# KiCad board PANEL_COM_MOD.kicad_pcb (continued)
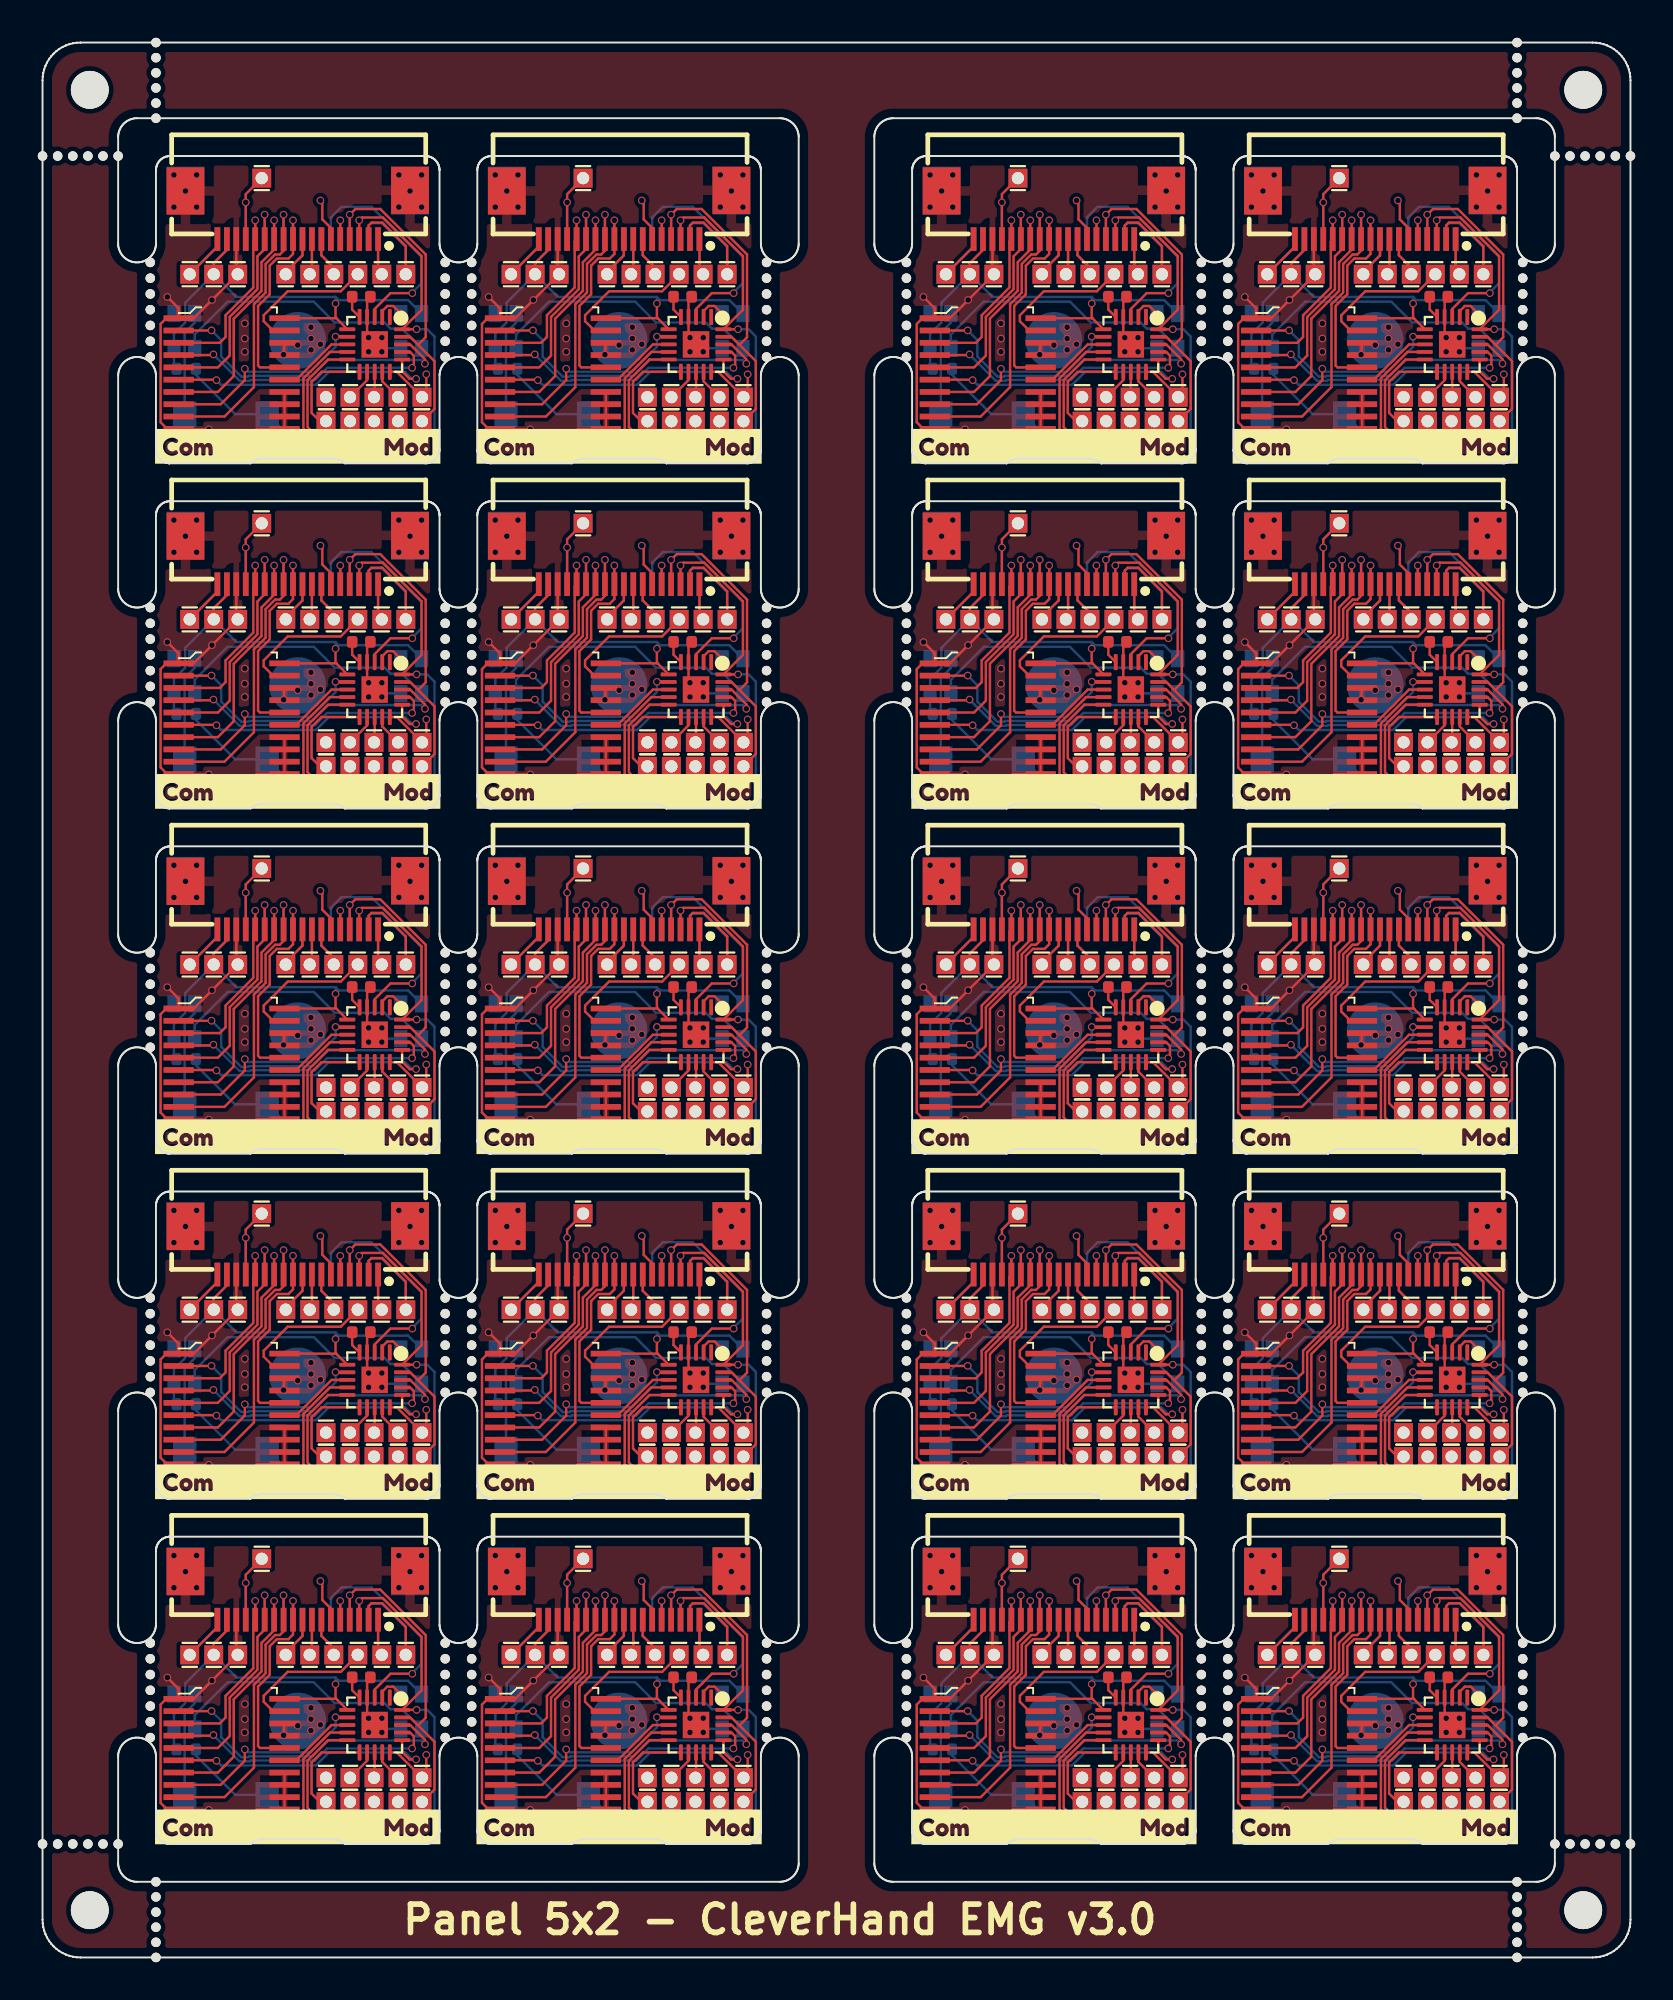
[diagram p0: board, top side]
## Placement (name value [footprint] x y rotation side) (continued)
J11#17  Conn_01x01_Pin  [PinHeader_1x01_P1.27mm_Vertical]  37.07 9.5 180 top
J11#18  Conn_01x01_Pin  [PinHeader_1x01_P1.27mm_Vertical]  37.07 64.25 180 top
J11#19  Conn_01x01_Pin  [PinHeader_1x01_P1.27mm_Vertical]  60.07 27.75 180 top
J11#20  Conn_01x01_Pin  [PinHeader_1x01_P1.27mm_Vertical]  20.07 82.5 180 top
J12  Conn_01x01_Pin  [PinHeader_1x01_P1.27mm_Vertical]  35.8 27.75 180 top
J12#2  Conn_01x01_Pin  [PinHeader_1x01_P1.27mm_Vertical]  75.8 27.75 180 top
J12#3  Conn_01x01_Pin  [PinHeader_1x01_P1.27mm_Vertical]  18.8 82.5 180 top
J12#4  Conn_01x01_Pin  [PinHeader_1x01_P1.27mm_Vertical]  35.8 9.5 180 top
J12#5  Conn_01x01_Pin  [PinHeader_1x01_P1.27mm_Vertical]  75.8 9.5 180 top
J12#6  Conn_01x01_Pin  [PinHeader_1x01_P1.27mm_Vertical]  58.8 64.25 180 top
J12#7  Conn_01x01_Pin  [PinHeader_1x01_P1.27mm_Vertical]  35.8 46 180 top
J12#8  Conn_01x01_Pin  [PinHeader_1x01_P1.27mm_Vertical]  58.8 9.5 180 top
J12#9  Conn_01x01_Pin  [PinHeader_1x01_P1.27mm_Vertical]  58.8 82.5 180 top
J12#10  Conn_01x01_Pin  [PinHeader_1x01_P1.27mm_Vertical]  58.8 46 180 top
J12#11  Conn_01x01_Pin  [PinHeader_1x01_P1.27mm_Vertical]  75.8 64.25 180 top
J12#12  Conn_01x01_Pin  [PinHeader_1x01_P1.27mm_Vertical]  35.8 64.25 180 top
J12#13  Conn_01x01_Pin  [PinHeader_1x01_P1.27mm_Vertical]  75.8 46 180 top
J12#14  Conn_01x01_Pin  [PinHeader_1x01_P1.27mm_Vertical]  35.8 82.5 180 top
J12#15  Conn_01x01_Pin  [PinHeader_1x01_P1.27mm_Vertical]  75.8 82.5 180 top
J12#16  Conn_01x01_Pin  [PinHeader_1x01_P1.27mm_Vertical]  58.8 27.75 180 top
J12#17  Conn_01x01_Pin  [PinHeader_1x01_P1.27mm_Vertical]  18.8 27.75 180 top
J12#18  Conn_01x01_Pin  [PinHeader_1x01_P1.27mm_Vertical]  18.8 46 180 top
J12#19  Conn_01x01_Pin  [PinHeader_1x01_P1.27mm_Vertical]  18.8 9.5 180 top
J12#20  Conn_01x01_Pin  [PinHeader_1x01_P1.27mm_Vertical]  18.8 64.25 180 top
J13  Conn_01x01_Pin  [PinHeader_1x01_P1.27mm_Vertical]  34.53 46 180 top
J13#2  Conn_01x01_Pin  [PinHeader_1x01_P1.27mm_Vertical]  34.53 27.75 180 top
J13#3  Conn_01x01_Pin  [PinHeader_1x01_P1.27mm_Vertical]  57.53 9.5 180 top
J13#4  Conn_01x01_Pin  [PinHeader_1x01_P1.27mm_Vertical]  74.53 82.5 180 top
J13#5  Conn_01x01_Pin  [PinHeader_1x01_P1.27mm_Vertical]  74.53 27.75 180 top
J13#6  Conn_01x01_Pin  [PinHeader_1x01_P1.27mm_Vertical]  34.53 9.5 180 top
J13#7  Conn_01x01_Pin  [PinHeader_1x01_P1.27mm_Vertical]  57.53 46 180 top
J13#8  Conn_01x01_Pin  [PinHeader_1x01_P1.27mm_Vertical]  74.53 46 180 top
J13#9  Conn_01x01_Pin  [PinHeader_1x01_P1.27mm_Vertical]  34.53 82.5 180 top
J13#10  Conn_01x01_Pin  [PinHeader_1x01_P1.27mm_Vertical]  74.53 9.5 180 top
J13#11  Conn_01x01_Pin  [PinHeader_1x01_P1.27mm_Vertical]  57.53 82.5 180 top
J13#12  Conn_01x01_Pin  [PinHeader_1x01_P1.27mm_Vertical]  17.54 64.25 180 top
J13#13  Conn_01x01_Pin  [PinHeader_1x01_P1.27mm_Vertical]  57.53 64.25 180 top
J13#14  Conn_01x01_Pin  [PinHeader_1x01_P1.27mm_Vertical]  17.54 82.5 180 top
J13#15  Conn_01x01_Pin  [PinHeader_1x01_P1.27mm_Vertical]  57.53 27.75 180 top
J13#16  Conn_01x01_Pin  [PinHeader_1x01_P1.27mm_Vertical]  17.54 9.5 180 top
J13#17  Conn_01x01_Pin  [PinHeader_1x01_P1.27mm_Vertical]  17.54 27.75 180 top
J13#18  Conn_01x01_Pin  [PinHeader_1x01_P1.27mm_Vertical]  74.53 64.25 180 top
J13#19  Conn_01x01_Pin  [PinHeader_1x01_P1.27mm_Vertical]  34.53 64.25 180 top
J13#20  Conn_01x01_Pin  [PinHeader_1x01_P1.27mm_Vertical]  17.54 46 180 top
J14  Conn_01x01_Pin  [PinHeader_1x01_P1.27mm_Vertical]  56.26 82.5 180 top
J14#2  Conn_01x01_Pin  [PinHeader_1x01_P1.27mm_Vertical]  73.26 82.5 180 top
J14#3  Conn_01x01_Pin  [PinHeader_1x01_P1.27mm_Vertical]  73.26 46 180 top
J14#4  Conn_01x01_Pin  [PinHeader_1x01_P1.27mm_Vertical]  73.26 9.5 180 top
J14#5  Conn_01x01_Pin  [PinHeader_1x01_P1.27mm_Vertical]  33.26 27.75 180 top
J14#6  Conn_01x01_Pin  [PinHeader_1x01_P1.27mm_Vertical]  16.26 46 180 top
J14#7  Conn_01x01_Pin  [PinHeader_1x01_P1.27mm_Vertical]  16.26 9.5 180 top
J14#8  Conn_01x01_Pin  [PinHeader_1x01_P1.27mm_Vertical]  16.26 82.5 180 top
J14#9  Conn_01x01_Pin  [PinHeader_1x01_P1.27mm_Vertical]  33.26 82.5 180 top
J14#10  Conn_01x01_Pin  [PinHeader_1x01_P1.27mm_Vertical]  33.26 9.5 180 top
J14#11  Conn_01x01_Pin  [PinHeader_1x01_P1.27mm_Vertical]  33.26 46 180 top
J14#12  Conn_01x01_Pin  [PinHeader_1x01_P1.27mm_Vertical]  56.26 46 180 top
J14#13  Conn_01x01_Pin  [PinHeader_1x01_P1.27mm_Vertical]  56.26 27.75 180 top
J14#14  Conn_01x01_Pin  [PinHeader_1x01_P1.27mm_Vertical]  16.26 64.25 180 top
J14#15  Conn_01x01_Pin  [PinHeader_1x01_P1.27mm_Vertical]  73.26 64.25 180 top
J14#16  Conn_01x01_Pin  [PinHeader_1x01_P1.27mm_Vertical]  16.26 27.75 180 top
J14#17  Conn_01x01_Pin  [PinHeader_1x01_P1.27mm_Vertical]  56.26 64.25 180 top
J14#18  Conn_01x01_Pin  [PinHeader_1x01_P1.27mm_Vertical]  33.26 64.25 180 top
J14#19  Conn_01x01_Pin  [PinHeader_1x01_P1.27mm_Vertical]  73.26 27.75 180 top
J14#20  Conn_01x01_Pin  [PinHeader_1x01_P1.27mm_Vertical]  56.26 9.5 180 top
J15  Conn_01x01_Pin  [PinHeader_1x01_P1.27mm_Vertical]  17.53 81.23 0 top
J15#2  Conn_01x01_Pin  [PinHeader_1x01_P1.27mm_Vertical]  34.53 62.98 0 top
J15#3  Conn_01x01_Pin  [PinHeader_1x01_P1.27mm_Vertical]  17.53 26.48 0 top
J15#4  Conn_01x01_Pin  [PinHeader_1x01_P1.27mm_Vertical]  57.53 44.73 0 top
J15#5  Conn_01x01_Pin  [PinHeader_1x01_P1.27mm_Vertical]  74.53 8.23 0 top
J15#6  Conn_01x01_Pin  [PinHeader_1x01_P1.27mm_Vertical]  57.53 26.48 0 top
J15#7  Conn_01x01_Pin  [PinHeader_1x01_P1.27mm_Vertical]  74.53 26.48 0 top
J15#8  Conn_01x01_Pin  [PinHeader_1x01_P1.27mm_Vertical]  57.53 8.23 0 top
J15#9  Conn_01x01_Pin  [PinHeader_1x01_P1.27mm_Vertical]  34.53 81.23 0 top
J15#10  Conn_01x01_Pin  [PinHeader_1x01_P1.27mm_Vertical]  74.53 62.98 0 top
J15#11  Conn_01x01_Pin  [PinHeader_1x01_P1.27mm_Vertical]  74.53 44.73 0 top
J15#12  Conn_01x01_Pin  [PinHeader_1x01_P1.27mm_Vertical]  34.53 26.48 0 top
J15#13  Conn_01x01_Pin  [PinHeader_1x01_P1.27mm_Vertical]  74.53 81.23 0 top
J15#14  Conn_01x01_Pin  [PinHeader_1x01_P1.27mm_Vertical]  17.53 62.98 0 top
J15#15  Conn_01x01_Pin  [PinHeader_1x01_P1.27mm_Vertical]  17.53 44.73 0 top
J15#16  Conn_01x01_Pin  [PinHeader_1x01_P1.27mm_Vertical]  34.53 44.73 0 top
J15#17  Conn_01x01_Pin  [PinHeader_1x01_P1.27mm_Vertical]  57.53 81.23 0 top
J15#18  Conn_01x01_Pin  [PinHeader_1x01_P1.27mm_Vertical]  17.53 8.23 0 top
J15#19  Conn_01x01_Pin  [PinHeader_1x01_P1.27mm_Vertical]  57.53 62.98 0 top
J15#20  Conn_01x01_Pin  [PinHeader_1x01_P1.27mm_Vertical]  34.53 8.23 0 top
J16  Conn_01x01_Pin  [PinHeader_1x01_P1.27mm_Vertical]  18.8 8.23 0 top
J16#2  Conn_01x01_Pin  [PinHeader_1x01_P1.27mm_Vertical]  75.8 62.98 0 top
J16#3  Conn_01x01_Pin  [PinHeader_1x01_P1.27mm_Vertical]  58.8 44.73 0 top
J16#4  Conn_01x01_Pin  [PinHeader_1x01_P1.27mm_Vertical]  58.8 8.23 0 top
J16#5  Conn_01x01_Pin  [PinHeader_1x01_P1.27mm_Vertical]  75.8 26.48 0 top
J16#6  Conn_01x01_Pin  [PinHeader_1x01_P1.27mm_Vertical]  35.8 81.23 0 top
J16#7  Conn_01x01_Pin  [PinHeader_1x01_P1.27mm_Vertical]  75.8 44.73 0 top
J16#8  Conn_01x01_Pin  [PinHeader_1x01_P1.27mm_Vertical]  18.8 62.98 0 top
J16#9  Conn_01x01_Pin  [PinHeader_1x01_P1.27mm_Vertical]  35.8 26.48 0 top
J16#10  Conn_01x01_Pin  [PinHeader_1x01_P1.27mm_Vertical]  58.8 62.98 0 top
J16#11  Conn_01x01_Pin  [PinHeader_1x01_P1.27mm_Vertical]  75.8 8.23 0 top
J16#12  Conn_01x01_Pin  [PinHeader_1x01_P1.27mm_Vertical]  35.8 8.23 0 top
J16#13  Conn_01x01_Pin  [PinHeader_1x01_P1.27mm_Vertical]  58.8 26.48 0 top
J16#14  Conn_01x01_Pin  [PinHeader_1x01_P1.27mm_Vertical]  75.8 81.23 0 top
J16#15  Conn_01x01_Pin  [PinHeader_1x01_P1.27mm_Vertical]  58.8 81.23 0 top
J16#16  Conn_01x01_Pin  [PinHeader_1x01_P1.27mm_Vertical]  18.8 81.23 0 top
J16#17  Conn_01x01_Pin  [PinHeader_1x01_P1.27mm_Vertical]  35.8 62.98 0 top
J16#18  Conn_01x01_Pin  [PinHeader_1x01_P1.27mm_Vertical]  18.8 44.73 0 top
J16#19  Conn_01x01_Pin  [PinHeader_1x01_P1.27mm_Vertical]  18.8 26.48 0 top
J16#20  Conn_01x01_Pin  [PinHeader_1x01_P1.27mm_Vertical]  35.8 44.73 0 top
J17  Conn_01x01_Pin  [PinHeader_1x01_P1.27mm_Vertical]  37.07 81.23 0 top
J17#2  Conn_01x01_Pin  [PinHeader_1x01_P1.27mm_Vertical]  60.07 44.73 0 top
J17#3  Conn_01x01_Pin  [PinHeader_1x01_P1.27mm_Vertical]  77.07 62.98 0 top
J17#4  Conn_01x01_Pin  [PinHeader_1x01_P1.27mm_Vertical]  37.07 62.98 0 top
J17#5  Conn_01x01_Pin  [PinHeader_1x01_P1.27mm_Vertical]  37.07 26.48 0 top
J17#6  Conn_01x01_Pin  [PinHeader_1x01_P1.27mm_Vertical]  60.07 81.23 0 top
J17#7  Conn_01x01_Pin  [PinHeader_1x01_P1.27mm_Vertical]  60.07 26.48 0 top
J17#8  Conn_01x01_Pin  [PinHeader_1x01_P1.27mm_Vertical]  20.07 8.23 0 top
J17#9  Conn_01x01_Pin  [PinHeader_1x01_P1.27mm_Vertical]  77.07 81.23 0 top
J17#10  Conn_01x01_Pin  [PinHeader_1x01_P1.27mm_Vertical]  77.07 44.73 0 top
J17#11  Conn_01x01_Pin  [PinHeader_1x01_P1.27mm_Vertical]  60.07 62.98 0 top
J17#12  Conn_01x01_Pin  [PinHeader_1x01_P1.27mm_Vertical]  20.07 81.23 0 top
J17#13  Conn_01x01_Pin  [PinHeader_1x01_P1.27mm_Vertical]  20.07 44.73 0 top
J17#14  Conn_01x01_Pin  [PinHeader_1x01_P1.27mm_Vertical]  37.07 44.73 0 top
J17#15  Conn_01x01_Pin  [PinHeader_1x01_P1.27mm_Vertical]  77.07 8.23 0 top
J17#16  Conn_01x01_Pin  [PinHeader_1x01_P1.27mm_Vertical]  20.07 26.48 0 top
J17#17  Conn_01x01_Pin  [PinHeader_1x01_P1.27mm_Vertical]  37.07 8.23 0 top
J17#18  Conn_01x01_Pin  [PinHeader_1x01_P1.27mm_Vertical]  20.07 62.98 0 top
J17#19  Conn_01x01_Pin  [PinHeader_1x01_P1.27mm_Vertical]  77.07 26.48 0 top
J17#20  Conn_01x01_Pin  [PinHeader_1x01_P1.27mm_Vertical]  60.07 8.23 0 top
J18  Conn_01x01_Pin  [PinHeader_1x01_P1.27mm_Vertical]  54.99 44.73 0 top
J18#2  Conn_01x01_Pin  [PinHeader_1x01_P1.27mm_Vertical]  31.99 8.23 0 top
J18#3  Conn_01x01_Pin  [PinHeader_1x01_P1.27mm_Vertical]  31.99 81.23 0 top
J18#4  Conn_01x01_Pin  [PinHeader_1x01_P1.27mm_Vertical]  54.99 81.23 0 top
J18#5  Conn_01x01_Pin  [PinHeader_1x01_P1.27mm_Vertical]  14.99 26.48 0 top
J18#6  Conn_01x01_Pin  [PinHeader_1x01_P1.27mm_Vertical]  71.99 8.23 0 top
J18#7  Conn_01x01_Pin  [PinHeader_1x01_P1.27mm_Vertical]  71.99 81.23 0 top
J18#8  Conn_01x01_Pin  [PinHeader_1x01_P1.27mm_Vertical]  71.99 26.48 0 top
J18#9  Conn_01x01_Pin  [PinHeader_1x01_P1.27mm_Vertical]  71.99 62.98 0 top
J18#10  Conn_01x01_Pin  [PinHeader_1x01_P1.27mm_Vertical]  14.99 44.73 0 top
J18#11  Conn_01x01_Pin  [PinHeader_1x01_P1.27mm_Vertical]  14.99 8.23 0 top
J18#12  Conn_01x01_Pin  [PinHeader_1x01_P1.27mm_Vertical]  71.99 44.73 0 top
J18#13  Conn_01x01_Pin  [PinHeader_1x01_P1.27mm_Vertical]  14.99 81.23 0 top
J18#14  Conn_01x01_Pin  [PinHeader_1x01_P1.27mm_Vertical]  14.99 62.98 0 top
J18#15  Conn_01x01_Pin  [PinHeader_1x01_P1.27mm_Vertical]  31.99 44.73 0 top
J18#16  Conn_01x01_Pin  [PinHeader_1x01_P1.27mm_Vertical]  54.99 26.48 0 top
J18#17  Conn_01x01_Pin  [PinHeader_1x01_P1.27mm_Vertical]  54.99 62.98 0 top
J18#18  Conn_01x01_Pin  [PinHeader_1x01_P1.27mm_Vertical]  31.99 62.98 0 top
J18#19  Conn_01x01_Pin  [PinHeader_1x01_P1.27mm_Vertical]  54.99 8.23 0 top
J18#20  Conn_01x01_Pin  [PinHeader_1x01_P1.27mm_Vertical]  31.99 26.48 0 top
J19  Conn_01x01_Pin  [PinHeader_1x01_P1.27mm_Vertical]  7.78 34.25 0 top
J19#2  Conn_01x01_Pin  [PinHeader_1x01_P1.27mm_Vertical]  64.78 16 0 top
J19#3  Conn_01x01_Pin  [PinHeader_1x01_P1.27mm_Vertical]  24.79 52.5 0 top
J19#4  Conn_01x01_Pin  [PinHeader_1x01_P1.27mm_Vertical]  64.78 34.25 0 top
J19#5  Conn_01x01_Pin  [PinHeader_1x01_P1.27mm_Vertical]  7.78 70.75 0 top
J19#6  Conn_01x01_Pin  [PinHeader_1x01_P1.27mm_Vertical]  47.78 70.75 0 top
J19#7  Conn_01x01_Pin  [PinHeader_1x01_P1.27mm_Vertical]  64.78 52.5 0 top
J19#8  Conn_01x01_Pin  [PinHeader_1x01_P1.27mm_Vertical]  64.78 89 0 top
J19#9  Conn_01x01_Pin  [PinHeader_1x01_P1.27mm_Vertical]  47.78 16 0 top
J19#10  Conn_01x01_Pin  [PinHeader_1x01_P1.27mm_Vertical]  47.78 52.5 0 top
J19#11  Conn_01x01_Pin  [PinHeader_1x01_P1.27mm_Vertical]  7.78 89 0 top
J19#12  Conn_01x01_Pin  [PinHeader_1x01_P1.27mm_Vertical]  24.79 16 0 top
J19#13  Conn_01x01_Pin  [PinHeader_1x01_P1.27mm_Vertical]  24.79 89 0 top
J19#14  Conn_01x01_Pin  [PinHeader_1x01_P1.27mm_Vertical]  7.78 16 0 top
J19#15  Conn_01x01_Pin  [PinHeader_1x01_P1.27mm_Vertical]  64.78 70.75 0 top
J19#16  Conn_01x01_Pin  [PinHeader_1x01_P1.27mm_Vertical]  47.78 89 0 top
J19#17  Conn_01x01_Pin  [PinHeader_1x01_P1.27mm_Vertical]  7.78 52.5 0 top
J19#18  Conn_01x01_Pin  [PinHeader_1x01_P1.27mm_Vertical]  47.78 34.25 0 top
J19#19  Conn_01x01_Pin  [PinHeader_1x01_P1.27mm_Vertical]  24.79 34.25 0 top
J19#20  Conn_01x01_Pin  [PinHeader_1x01_P1.27mm_Vertical]  24.79 70.75 0 top
J20  Conn_01x01_Pin  [PinHeader_1x01_P1.27mm_Vertical]  76.22 16 0 top
J20#2  Conn_01x01_Pin  [PinHeader_1x01_P1.27mm_Vertical]  36.22 16 0 top
J20#3  Conn_01x01_Pin  [PinHeader_1x01_P1.27mm_Vertical]  19.21 70.75 0 top
J20#4  Conn_01x01_Pin  [PinHeader_1x01_P1.27mm_Vertical]  36.22 89 0 top
J20#5  Conn_01x01_Pin  [PinHeader_1x01_P1.27mm_Vertical]  19.21 52.5 0 top
J20#6  Conn_01x01_Pin  [PinHeader_1x01_P1.27mm_Vertical]  36.22 70.75 0 top
J20#7  Conn_01x01_Pin  [PinHeader_1x01_P1.27mm_Vertical]  36.22 34.25 0 top
J20#8  Conn_01x01_Pin  [PinHeader_1x01_P1.27mm_Vertical]  36.22 52.5 0 top
J20#9  Conn_01x01_Pin  [PinHeader_1x01_P1.27mm_Vertical]  76.22 52.5 0 top
J20#10  Conn_01x01_Pin  [PinHeader_1x01_P1.27mm_Vertical]  76.22 70.75 0 top
J20#11  Conn_01x01_Pin  [PinHeader_1x01_P1.27mm_Vertical]  59.22 89 0 top
J20#12  Conn_01x01_Pin  [PinHeader_1x01_P1.27mm_Vertical]  19.21 16 0 top
J20#13  Conn_01x01_Pin  [PinHeader_1x01_P1.27mm_Vertical]  19.21 34.25 0 top
J20#14  Conn_01x01_Pin  [PinHeader_1x01_P1.27mm_Vertical]  76.22 89 0 top
J20#15  Conn_01x01_Pin  [PinHeader_1x01_P1.27mm_Vertical]  59.22 70.75 0 top
J20#16  Conn_01x01_Pin  [PinHeader_1x01_P1.27mm_Vertical]  59.22 16 0 top
J20#17  Conn_01x01_Pin  [PinHeader_1x01_P1.27mm_Vertical]  59.22 52.5 0 top
J20#18  Conn_01x01_Pin  [PinHeader_1x01_P1.27mm_Vertical]  76.22 34.25 0 top
J20#19  Conn_01x01_Pin  [PinHeader_1x01_P1.27mm_Vertical]  19.21 89 0 top
J20#20  Conn_01x01_Pin  [PinHeader_1x01_P1.27mm_Vertical]  59.22 34.25 0 top
J21  Conn_01x01_Pin  [PinHeader_1x01_P1.27mm_Vertical]  16.26 26.48 0 top
J21#2  Conn_01x01_Pin  [PinHeader_1x01_P1.27mm_Vertical]  73.26 8.23 0 top
J21#3  Conn_01x01_Pin  [PinHeader_1x01_P1.27mm_Vertical]  33.26 8.23 0 top
J21#4  Conn_01x01_Pin  [PinHeader_1x01_P1.27mm_Vertical]  56.26 26.48 0 top
J21#5  Conn_01x01_Pin  [PinHeader_1x01_P1.27mm_Vertical]  16.26 44.73 0 top
J21#6  Conn_01x01_Pin  [PinHeader_1x01_P1.27mm_Vertical]  73.26 26.48 0 top
J21#7  Conn_01x01_Pin  [PinHeader_1x01_P1.27mm_Vertical]  33.26 81.23 0 top
J21#8  Conn_01x01_Pin  [PinHeader_1x01_P1.27mm_Vertical]  33.26 62.98 0 top
J21#9  Conn_01x01_Pin  [PinHeader_1x01_P1.27mm_Vertical]  73.26 44.73 0 top
J21#10  Conn_01x01_Pin  [PinHeader_1x01_P1.27mm_Vertical]  16.26 8.23 0 top
J21#11  Conn_01x01_Pin  [PinHeader_1x01_P1.27mm_Vertical]  73.26 81.23 0 top
J21#12  Conn_01x01_Pin  [PinHeader_1x01_P1.27mm_Vertical]  16.26 81.23 0 top
J21#13  Conn_01x01_Pin  [PinHeader_1x01_P1.27mm_Vertical]  33.26 26.48 0 top
J21#14  Conn_01x01_Pin  [PinHeader_1x01_P1.27mm_Vertical]  56.26 62.98 0 top
J21#15  Conn_01x01_Pin  [PinHeader_1x01_P1.27mm_Vertical]  56.26 44.73 0 top
J21#16  Conn_01x01_Pin  [PinHeader_1x01_P1.27mm_Vertical]  56.26 8.23 0 top
J21#17  Conn_01x01_Pin  [PinHeader_1x01_P1.27mm_Vertical]  73.26 62.98 0 top
J21#18  Conn_01x01_Pin  [PinHeader_1x01_P1.27mm_Vertical]  56.26 81.23 0 top
J21#19  Conn_01x01_Pin  [PinHeader_1x01_P1.27mm_Vertical]  16.26 62.98 0 top
J21#20  Conn_01x01_Pin  [PinHeader_1x01_P1.27mm_Vertical]  33.26 44.73 0 top
J22  Conn_01x01_Pin  [PinHeader_1x01_P1.27mm_Vertical]  14.99 9.5 0 top
J22#2  Conn_01x01_Pin  [PinHeader_1x01_P1.27mm_Vertical]  54.99 27.75 0 top
J22#3  Conn_01x01_Pin  [PinHeader_1x01_P1.27mm_Vertical]  31.99 64.25 0 top
J22#4  Conn_01x01_Pin  [PinHeader_1x01_P1.27mm_Vertical]  71.99 82.5 0 top
J22#5  Conn_01x01_Pin  [PinHeader_1x01_P1.27mm_Vertical]  31.99 9.5 0 top
J22#6  Conn_01x01_Pin  [PinHeader_1x01_P1.27mm_Vertical]  54.99 64.25 0 top
J22#7  Conn_01x01_Pin  [PinHeader_1x01_P1.27mm_Vertical]  31.99 27.75 0 top
J22#8  Conn_01x01_Pin  [PinHeader_1x01_P1.27mm_Vertical]  31.99 46 0 top
J22#9  Conn_01x01_Pin  [PinHeader_1x01_P1.27mm_Vertical]  14.99 82.5 0 top
J22#10  Conn_01x01_Pin  [PinHeader_1x01_P1.27mm_Vertical]  54.99 82.5 0 top
J22#11  Conn_01x01_Pin  [PinHeader_1x01_P1.27mm_Vertical]  71.99 46 0 top
J22#12  Conn_01x01_Pin  [PinHeader_1x01_P1.27mm_Vertical]  14.99 27.75 0 top
J22#13  Conn_01x01_Pin  [PinHeader_1x01_P1.27mm_Vertical]  14.99 46 0 top
J22#14  Conn_01x01_Pin  [PinHeader_1x01_P1.27mm_Vertical]  71.99 64.25 0 top
J22#15  Conn_01x01_Pin  [PinHeader_1x01_P1.27mm_Vertical]  54.99 46 0 top
J22#16  Conn_01x01_Pin  [PinHeader_1x01_P1.27mm_Vertical]  14.99 64.25 0 top
J22#17  Conn_01x01_Pin  [PinHeader_1x01_P1.27mm_Vertical]  71.99 9.5 0 top
J22#18  Conn_01x01_Pin  [PinHeader_1x01_P1.27mm_Vertical]  71.99 27.75 0 top
J22#19  Conn_01x01_Pin  [PinHeader_1x01_P1.27mm_Vertical]  54.99 9.5 0 top
J22#20  Conn_01x01_Pin  [PinHeader_1x01_P1.27mm_Vertical]  31.99 82.5 0 top
kibuzzard-658C3FF8  G***  [kibuzzard-658C3FF8]  30.5 61.65 0 top
kibuzzard-658C3FF8#2  G***  [kibuzzard-658C3FF8]  70.5 61.65 0 top
kibuzzard-658C3FF8#3  G***  [kibuzzard-658C3FF8]  53.5 25.15 0 top
kibuzzard-658C3FF8#4  G***  [kibuzzard-658C3FF8]  30.5 43.4 0 top
kibuzzard-658C3FF8#5  G***  [kibuzzard-658C3FF8]  70.5 25.15 0 top
kibuzzard-658C3FF8#6  G***  [kibuzzard-658C3FF8]  30.5 79.9 0 top
kibuzzard-658C3FF8#7  G***  [kibuzzard-658C3FF8]  70.5 43.4 0 top
kibuzzard-658C3FF8#8  G***  [kibuzzard-658C3FF8]  30.5 25.15 0 top
kibuzzard-658C3FF8#9  G***  [kibuzzard-658C3FF8]  13.5 6.9 0 top
kibuzzard-658C3FF8#10  G***  [kibuzzard-658C3FF8]  53.5 6.9 0 top
kibuzzard-658C3FF8#11  G***  [kibuzzard-658C3FF8]  13.5 25.15 0 top
kibuzzard-658C3FF8#12  G***  [kibuzzard-658C3FF8]  53.5 43.4 0 top
kibuzzard-658C3FF8#13  G***  [kibuzzard-658C3FF8]  13.5 79.9 0 top
kibuzzard-658C3FF8#14  G***  [kibuzzard-658C3FF8]  53.5 79.9 0 top
kibuzzard-658C3FF8#15  G***  [kibuzzard-658C3FF8]  70.5 6.9 0 top
kibuzzard-658C3FF8#16  G***  [kibuzzard-658C3FF8]  30.5 6.9 0 top
kibuzzard-658C3FF8#17  G***  [kibuzzard-658C3FF8]  13.5 43.4 0 top
kibuzzard-658C3FF8#18  G***  [kibuzzard-658C3FF8]  70.5 79.9 0 top
kibuzzard-658C3FF8#19  G***  [kibuzzard-658C3FF8]  13.5 61.65 0 top
kibuzzard-658C3FF8#20  G***  [kibuzzard-658C3FF8]  53.5 61.65 0 top
kibuzzard-658C2757  G***  [kibuzzard-658C2757]  30.5 32.5 180 bottom
kibuzzard-658C2757#2  G***  [kibuzzard-658C2757]  70.5 32.5 180 bottom
kibuzzard-658C2757#3  G***  [kibuzzard-658C2757]  53.5 69 180 bottom
kibuzzard-658C2757#4  G***  [kibuzzard-658C2757]  70.5 87.25 180 bottom
kibuzzard-658C2757#5  G***  [kibuzzard-658C2757]  13.5 69 180 bottom
kibuzzard-658C2757#6  G***  [kibuzzard-658C2757]  53.5 87.25 180 bottom
kibuzzard-658C2757#7  G***  [kibuzzard-658C2757]  70.5 14.25 180 bottom
kibuzzard-658C2757#8  G***  [kibuzzard-658C2757]  13.5 32.5 180 bottom
kibuzzard-658C2757#9  G***  [kibuzzard-658C2757]  53.5 50.75 180 bottom
kibuzzard-658C2757#10  G***  [kibuzzard-658C2757]  53.5 14.25 180 bottom
kibuzzard-658C2757#11  G***  [kibuzzard-658C2757]  30.5 50.75 180 bottom
kibuzzard-658C2757#12  G***  [kibuzzard-658C2757]  30.5 69 180 bottom
kibuzzard-658C2757#13  G***  [kibuzzard-658C2757]  13.5 87.25 180 bottom
kibuzzard-658C2757#14  G***  [kibuzzard-658C2757]  30.5 14.25 180 bottom
kibuzzard-658C2757#15  G***  [kibuzzard-658C2757]  70.5 50.75 180 bottom
kibuzzard-658C2757#16  G***  [kibuzzard-658C2757]  13.5 50.75 180 bottom
kibuzzard-658C2757#17  G***  [kibuzzard-658C2757]  53.5 32.5 180 bottom
kibuzzard-658C2757#18  G***  [kibuzzard-658C2757]  13.5 14.25 180 bottom
kibuzzard-658C2757#19  G***  [kibuzzard-658C2757]  30.5 87.25 180 bottom
kibuzzard-658C2757#20  G***  [kibuzzard-658C2757]  70.5 69 180 bottom
KiKit_MB_1_1  -  [NPTH]  5.7 84.63 0 top
KiKit_MB_1_2  -  [NPTH]  5.7 85.46 0 top
KiKit_MB_1_3  -  [NPTH]  5.7 86.29 0 top
KiKit_MB_1_4  -  [NPTH]  5.7 87.13 0 top
KiKit_MB_1_5  -  [NPTH]  5.7 87.96 0 top
KiKit_MB_1_6  -  [NPTH]  5.7 88.79 0 top
KiKit_MB_1_7  -  [NPTH]  5.7 89.63 0 top
KiKit_MB_2_1  -  [NPTH]  21.3 89.63 0 top
KiKit_MB_2_2  -  [NPTH]  21.3 88.79 0 top
KiKit_MB_2_3  -  [NPTH]  21.3 87.96 0 top
KiKit_MB_2_4  -  [NPTH]  21.3 87.13 0 top
KiKit_MB_2_5  -  [NPTH]  21.3 86.29 0 top
KiKit_MB_2_6  -  [NPTH]  21.3 85.46 0 top
KiKit_MB_2_7  -  [NPTH]  21.3 84.63 0 top
KiKit_MB_3_1  -  [NPTH]  22.7 84.63 0 top
KiKit_MB_3_2  -  [NPTH]  22.7 85.46 0 top
KiKit_MB_3_3  -  [NPTH]  22.7 86.29 0 top
KiKit_MB_3_4  -  [NPTH]  22.7 87.13 0 top
KiKit_MB_3_5  -  [NPTH]  22.7 87.96 0 top
KiKit_MB_3_6  -  [NPTH]  22.7 88.79 0 top
KiKit_MB_3_7  -  [NPTH]  22.7 89.63 0 top
KiKit_MB_4_1  -  [NPTH]  38.3 89.63 0 top
KiKit_MB_4_2  -  [NPTH]  38.3 88.79 0 top
KiKit_MB_4_3  -  [NPTH]  38.3 87.96 0 top
KiKit_MB_4_4  -  [NPTH]  38.3 87.13 0 top
KiKit_MB_4_5  -  [NPTH]  38.3 86.29 0 top
KiKit_MB_4_6  -  [NPTH]  38.3 85.46 0 top
KiKit_MB_4_7  -  [NPTH]  38.3 84.63 0 top
KiKit_MB_5_1  -  [NPTH]  45.7 84.63 0 top
KiKit_MB_5_2  -  [NPTH]  45.7 85.46 0 top
KiKit_MB_5_3  -  [NPTH]  45.7 86.29 0 top
KiKit_MB_5_4  -  [NPTH]  45.7 87.13 0 top
KiKit_MB_5_5  -  [NPTH]  45.7 87.96 0 top
KiKit_MB_5_6  -  [NPTH]  45.7 88.79 0 top
KiKit_MB_5_7  -  [NPTH]  45.7 89.63 0 top
KiKit_MB_6_1  -  [NPTH]  61.3 89.63 0 top
KiKit_MB_6_2  -  [NPTH]  61.3 88.79 0 top
KiKit_MB_6_3  -  [NPTH]  61.3 87.96 0 top
KiKit_MB_6_4  -  [NPTH]  61.3 87.13 0 top
KiKit_MB_6_5  -  [NPTH]  61.3 86.29 0 top
KiKit_MB_6_6  -  [NPTH]  61.3 85.46 0 top
KiKit_MB_6_7  -  [NPTH]  61.3 84.63 0 top
KiKit_MB_7_1  -  [NPTH]  62.7 84.63 0 top
KiKit_MB_7_2  -  [NPTH]  62.7 85.46 0 top
KiKit_MB_7_3  -  [NPTH]  62.7 86.29 0 top
KiKit_MB_7_4  -  [NPTH]  62.7 87.13 0 top
KiKit_MB_7_5  -  [NPTH]  62.7 87.96 0 top
KiKit_MB_7_6  -  [NPTH]  62.7 88.79 0 top
KiKit_MB_7_7  -  [NPTH]  62.7 89.63 0 top
KiKit_MB_8_1  -  [NPTH]  78.3 89.63 0 top
KiKit_MB_8_2  -  [NPTH]  78.3 88.79 0 top
KiKit_MB_8_3  -  [NPTH]  78.3 87.96 0 top
KiKit_MB_8_4  -  [NPTH]  78.3 87.13 0 top
KiKit_MB_8_5  -  [NPTH]  78.3 86.29 0 top
KiKit_MB_8_6  -  [NPTH]  78.3 85.46 0 top
KiKit_MB_8_7  -  [NPTH]  78.3 84.63 0 top
KiKit_MB_9_1  -  [NPTH]  5.7 66.38 0 top
KiKit_MB_9_2  -  [NPTH]  5.7 67.21 0 top
KiKit_MB_9_3  -  [NPTH]  5.7 68.04 0 top
KiKit_MB_9_4  -  [NPTH]  5.7 68.88 0 top
KiKit_MB_9_5  -  [NPTH]  5.7 69.71 0 top
KiKit_MB_9_6  -  [NPTH]  5.7 70.54 0 top
KiKit_MB_9_7  -  [NPTH]  5.7 71.38 0 top
KiKit_MB_10_1  -  [NPTH]  21.3 71.38 0 top
KiKit_MB_10_2  -  [NPTH]  21.3 70.54 0 top
KiKit_MB_10_3  -  [NPTH]  21.3 69.71 0 top
KiKit_MB_10_4  -  [NPTH]  21.3 68.88 0 top
KiKit_MB_10_5  -  [NPTH]  21.3 68.04 0 top
KiKit_MB_10_6  -  [NPTH]  21.3 67.21 0 top
KiKit_MB_10_7  -  [NPTH]  21.3 66.38 0 top
KiKit_MB_11_1  -  [NPTH]  22.7 66.38 0 top
KiKit_MB_11_2  -  [NPTH]  22.7 67.21 0 top
KiKit_MB_11_3  -  [NPTH]  22.7 68.04 0 top
KiKit_MB_11_4  -  [NPTH]  22.7 68.88 0 top
KiKit_MB_11_5  -  [NPTH]  22.7 69.71 0 top
KiKit_MB_11_6  -  [NPTH]  22.7 70.54 0 top
KiKit_MB_11_7  -  [NPTH]  22.7 71.38 0 top
KiKit_MB_12_1  -  [NPTH]  38.3 71.38 0 top
KiKit_MB_12_2  -  [NPTH]  38.3 70.54 0 top
KiKit_MB_12_3  -  [NPTH]  38.3 69.71 0 top
KiKit_MB_12_4  -  [NPTH]  38.3 68.88 0 top
KiKit_MB_12_5  -  [NPTH]  38.3 68.04 0 top
KiKit_MB_12_6  -  [NPTH]  38.3 67.21 0 top
KiKit_MB_12_7  -  [NPTH]  38.3 66.38 0 top
KiKit_MB_13_1  -  [NPTH]  45.7 66.38 0 top
KiKit_MB_13_2  -  [NPTH]  45.7 67.21 0 top
KiKit_MB_13_3  -  [NPTH]  45.7 68.04 0 top
KiKit_MB_13_4  -  [NPTH]  45.7 68.88 0 top
KiKit_MB_13_5  -  [NPTH]  45.7 69.71 0 top
KiKit_MB_13_6  -  [NPTH]  45.7 70.54 0 top
KiKit_MB_13_7  -  [NPTH]  45.7 71.38 0 top
KiKit_MB_14_1  -  [NPTH]  61.3 71.38 0 top
KiKit_MB_14_2  -  [NPTH]  61.3 70.54 0 top
KiKit_MB_14_3  -  [NPTH]  61.3 69.71 0 top
KiKit_MB_14_4  -  [NPTH]  61.3 68.88 0 top
KiKit_MB_14_5  -  [NPTH]  61.3 68.04 0 top
KiKit_MB_14_6  -  [NPTH]  61.3 67.21 0 top
KiKit_MB_14_7  -  [NPTH]  61.3 66.38 0 top
KiKit_MB_15_1  -  [NPTH]  62.7 66.38 0 top
KiKit_MB_15_2  -  [NPTH]  62.7 67.21 0 top
KiKit_MB_15_3  -  [NPTH]  62.7 68.04 0 top
KiKit_MB_15_4  -  [NPTH]  62.7 68.88 0 top
KiKit_MB_15_5  -  [NPTH]  62.7 69.71 0 top
KiKit_MB_15_6  -  [NPTH]  62.7 70.54 0 top
KiKit_MB_15_7  -  [NPTH]  62.7 71.38 0 top
KiKit_MB_16_1  -  [NPTH]  78.3 71.38 0 top
KiKit_MB_16_2  -  [NPTH]  78.3 70.54 0 top
KiKit_MB_16_3  -  [NPTH]  78.3 69.71 0 top
KiKit_MB_16_4  -  [NPTH]  78.3 68.88 0 top
KiKit_MB_16_5  -  [NPTH]  78.3 68.04 0 top
KiKit_MB_16_6  -  [NPTH]  78.3 67.21 0 top
KiKit_MB_16_7  -  [NPTH]  78.3 66.38 0 top
KiKit_MB_17_1  -  [NPTH]  5.7 48.13 0 top
KiKit_MB_17_2  -  [NPTH]  5.7 48.96 0 top
KiKit_MB_17_3  -  [NPTH]  5.7 49.79 0 top
KiKit_MB_17_4  -  [NPTH]  5.7 50.63 0 top
KiKit_MB_17_5  -  [NPTH]  5.7 51.46 0 top
KiKit_MB_17_6  -  [NPTH]  5.7 52.29 0 top
KiKit_MB_17_7  -  [NPTH]  5.7 53.13 0 top
KiKit_MB_18_1  -  [NPTH]  21.3 53.13 0 top
KiKit_MB_18_2  -  [NPTH]  21.3 52.29 0 top
KiKit_MB_18_3  -  [NPTH]  21.3 51.46 0 top
KiKit_MB_18_4  -  [NPTH]  21.3 50.63 0 top
KiKit_MB_18_5  -  [NPTH]  21.3 49.79 0 top
KiKit_MB_18_6  -  [NPTH]  21.3 48.96 0 top
KiKit_MB_18_7  -  [NPTH]  21.3 48.13 0 top
KiKit_MB_19_1  -  [NPTH]  22.7 48.13 0 top
KiKit_MB_19_2  -  [NPTH]  22.7 48.96 0 top
KiKit_MB_19_3  -  [NPTH]  22.7 49.79 0 top
KiKit_MB_19_4  -  [NPTH]  22.7 50.63 0 top
KiKit_MB_19_5  -  [NPTH]  22.7 51.46 0 top
KiKit_MB_19_6  -  [NPTH]  22.7 52.29 0 top
KiKit_MB_19_7  -  [NPTH]  22.7 53.13 0 top
KiKit_MB_20_1  -  [NPTH]  38.3 53.13 0 top
KiKit_MB_20_2  -  [NPTH]  38.3 52.29 0 top
KiKit_MB_20_3  -  [NPTH]  38.3 51.46 0 top
KiKit_MB_20_4  -  [NPTH]  38.3 50.63 0 top
KiKit_MB_20_5  -  [NPTH]  38.3 49.79 0 top
KiKit_MB_20_6  -  [NPTH]  38.3 48.96 0 top
KiKit_MB_20_7  -  [NPTH]  38.3 48.13 0 top
KiKit_MB_21_1  -  [NPTH]  45.7 48.13 0 top
KiKit_MB_21_2  -  [NPTH]  45.7 48.96 0 top
KiKit_MB_21_3  -  [NPTH]  45.7 49.79 0 top
KiKit_MB_21_4  -  [NPTH]  45.7 50.63 0 top
KiKit_MB_21_5  -  [NPTH]  45.7 51.46 0 top
KiKit_MB_21_6  -  [NPTH]  45.7 52.29 0 top
KiKit_MB_21_7  -  [NPTH]  45.7 53.13 0 top
KiKit_MB_22_1  -  [NPTH]  61.3 53.13 0 top
KiKit_MB_22_2  -  [NPTH]  61.3 52.29 0 top
KiKit_MB_22_3  -  [NPTH]  61.3 51.46 0 top
KiKit_MB_22_4  -  [NPTH]  61.3 50.63 0 top
KiKit_MB_22_5  -  [NPTH]  61.3 49.79 0 top
KiKit_MB_22_6  -  [NPTH]  61.3 48.96 0 top
KiKit_MB_22_7  -  [NPTH]  61.3 48.13 0 top
KiKit_MB_23_1  -  [NPTH]  62.7 48.13 0 top
KiKit_MB_23_2  -  [NPTH]  62.7 48.96 0 top
KiKit_MB_23_3  -  [NPTH]  62.7 49.79 0 top
KiKit_MB_23_4  -  [NPTH]  62.7 50.63 0 top
KiKit_MB_23_5  -  [NPTH]  62.7 51.46 0 top
KiKit_MB_23_6  -  [NPTH]  62.7 52.29 0 top
KiKit_MB_23_7  -  [NPTH]  62.7 53.13 0 top
KiKit_MB_24_1  -  [NPTH]  78.3 53.13 0 top
KiKit_MB_24_2  -  [NPTH]  78.3 52.29 0 top
KiKit_MB_24_3  -  [NPTH]  78.3 51.46 0 top
KiKit_MB_24_4  -  [NPTH]  78.3 50.63 0 top
KiKit_MB_24_5  -  [NPTH]  78.3 49.79 0 top
KiKit_MB_24_6  -  [NPTH]  78.3 48.96 0 top
KiKit_MB_24_7  -  [NPTH]  78.3 48.13 0 top
KiKit_MB_25_1  -  [NPTH]  5.7 29.88 0 top
KiKit_MB_25_2  -  [NPTH]  5.7 30.71 0 top
KiKit_MB_25_3  -  [NPTH]  5.7 31.54 0 top
KiKit_MB_25_4  -  [NPTH]  5.7 32.38 0 top
KiKit_MB_25_5  -  [NPTH]  5.7 33.21 0 top
KiKit_MB_25_6  -  [NPTH]  5.7 34.04 0 top
KiKit_MB_25_7  -  [NPTH]  5.7 34.88 0 top
KiKit_MB_26_1  -  [NPTH]  21.3 34.88 0 top
KiKit_MB_26_2  -  [NPTH]  21.3 34.04 0 top
KiKit_MB_26_3  -  [NPTH]  21.3 33.21 0 top
KiKit_MB_26_4  -  [NPTH]  21.3 32.38 0 top
KiKit_MB_26_5  -  [NPTH]  21.3 31.54 0 top
KiKit_MB_26_6  -  [NPTH]  21.3 30.71 0 top
KiKit_MB_26_7  -  [NPTH]  21.3 29.88 0 top
KiKit_MB_27_1  -  [NPTH]  22.7 29.88 0 top
KiKit_MB_27_2  -  [NPTH]  22.7 30.71 0 top
KiKit_MB_27_3  -  [NPTH]  22.7 31.54 0 top
KiKit_MB_27_4  -  [NPTH]  22.7 32.38 0 top
KiKit_MB_27_5  -  [NPTH]  22.7 33.21 0 top
KiKit_MB_27_6  -  [NPTH]  22.7 34.04 0 top
KiKit_MB_27_7  -  [NPTH]  22.7 34.88 0 top
KiKit_MB_28_1  -  [NPTH]  38.3 34.88 0 top
KiKit_MB_28_2  -  [NPTH]  38.3 34.04 0 top
KiKit_MB_28_3  -  [NPTH]  38.3 33.21 0 top
KiKit_MB_28_4  -  [NPTH]  38.3 32.38 0 top
KiKit_MB_28_5  -  [NPTH]  38.3 31.54 0 top
KiKit_MB_28_6  -  [NPTH]  38.3 30.71 0 top
KiKit_MB_28_7  -  [NPTH]  38.3 29.88 0 top
KiKit_MB_29_1  -  [NPTH]  45.7 29.88 0 top
KiKit_MB_29_2  -  [NPTH]  45.7 30.71 0 top
KiKit_MB_29_3  -  [NPTH]  45.7 31.54 0 top
KiKit_MB_29_4  -  [NPTH]  45.7 32.38 0 top
KiKit_MB_29_5  -  [NPTH]  45.7 33.21 0 top
KiKit_MB_29_6  -  [NPTH]  45.7 34.04 0 top
KiKit_MB_29_7  -  [NPTH]  45.7 34.88 0 top
KiKit_MB_30_1  -  [NPTH]  61.3 34.88 0 top
KiKit_MB_30_2  -  [NPTH]  61.3 34.04 0 top
KiKit_MB_30_3  -  [NPTH]  61.3 33.21 0 top
KiKit_MB_30_4  -  [NPTH]  61.3 32.38 0 top
KiKit_MB_30_5  -  [NPTH]  61.3 31.54 0 top
KiKit_MB_30_6  -  [NPTH]  61.3 30.71 0 top
KiKit_MB_30_7  -  [NPTH]  61.3 29.88 0 top
KiKit_MB_31_1  -  [NPTH]  62.7 29.88 0 top
KiKit_MB_31_2  -  [NPTH]  62.7 30.71 0 top
KiKit_MB_31_3  -  [NPTH]  62.7 31.54 0 top
KiKit_MB_31_4  -  [NPTH]  62.7 32.38 0 top
KiKit_MB_31_5  -  [NPTH]  62.7 33.21 0 top
KiKit_MB_31_6  -  [NPTH]  62.7 34.04 0 top
KiKit_MB_31_7  -  [NPTH]  62.7 34.88 0 top
KiKit_MB_32_1  -  [NPTH]  78.3 34.88 0 top
KiKit_MB_32_2  -  [NPTH]  78.3 34.04 0 top
KiKit_MB_32_3  -  [NPTH]  78.3 33.21 0 top
KiKit_MB_32_4  -  [NPTH]  78.3 32.38 0 top
KiKit_MB_32_5  -  [NPTH]  78.3 31.54 0 top
KiKit_MB_32_6  -  [NPTH]  78.3 30.71 0 top
KiKit_MB_32_7  -  [NPTH]  78.3 29.88 0 top
KiKit_MB_33_1  -  [NPTH]  5.7 11.63 0 top
KiKit_MB_33_2  -  [NPTH]  5.7 12.46 0 top
KiKit_MB_33_3  -  [NPTH]  5.7 13.29 0 top
KiKit_MB_33_4  -  [NPTH]  5.7 14.13 0 top
KiKit_MB_33_5  -  [NPTH]  5.7 14.96 0 top
KiKit_MB_33_6  -  [NPTH]  5.7 15.79 0 top
KiKit_MB_33_7  -  [NPTH]  5.7 16.63 0 top
KiKit_MB_34_1  -  [NPTH]  21.3 16.63 0 top
KiKit_MB_34_2  -  [NPTH]  21.3 15.79 0 top
KiKit_MB_34_3  -  [NPTH]  21.3 14.96 0 top
KiKit_MB_34_4  -  [NPTH]  21.3 14.13 0 top
KiKit_MB_34_5  -  [NPTH]  21.3 13.29 0 top
KiKit_MB_34_6  -  [NPTH]  21.3 12.46 0 top
KiKit_MB_34_7  -  [NPTH]  21.3 11.63 0 top
KiKit_MB_35_1  -  [NPTH]  22.7 11.63 0 top
KiKit_MB_35_2  -  [NPTH]  22.7 12.46 0 top
KiKit_MB_35_3  -  [NPTH]  22.7 13.29 0 top
KiKit_MB_35_4  -  [NPTH]  22.7 14.13 0 top
KiKit_MB_35_5  -  [NPTH]  22.7 14.96 0 top
KiKit_MB_35_6  -  [NPTH]  22.7 15.79 0 top
KiKit_MB_35_7  -  [NPTH]  22.7 16.63 0 top
KiKit_MB_36_1  -  [NPTH]  38.3 16.63 0 top
KiKit_MB_36_2  -  [NPTH]  38.3 15.79 0 top
KiKit_MB_36_3  -  [NPTH]  38.3 14.96 0 top
KiKit_MB_36_4  -  [NPTH]  38.3 14.13 0 top
KiKit_MB_36_5  -  [NPTH]  38.3 13.29 0 top
KiKit_MB_36_6  -  [NPTH]  38.3 12.46 0 top
KiKit_MB_36_7  -  [NPTH]  38.3 11.63 0 top
KiKit_MB_37_1  -  [NPTH]  45.7 11.63 0 top
KiKit_MB_37_2  -  [NPTH]  45.7 12.46 0 top
KiKit_MB_37_3  -  [NPTH]  45.7 13.29 0 top
KiKit_MB_37_4  -  [NPTH]  45.7 14.13 0 top
KiKit_MB_37_5  -  [NPTH]  45.7 14.96 0 top
KiKit_MB_37_6  -  [NPTH]  45.7 15.79 0 top
KiKit_MB_37_7  -  [NPTH]  45.7 16.63 0 top
KiKit_MB_38_1  -  [NPTH]  61.3 16.63 0 top
KiKit_MB_38_2  -  [NPTH]  61.3 15.79 0 top
KiKit_MB_38_3  -  [NPTH]  61.3 14.96 0 top
